# Altium PCB m2m v00.PcbDoc (part 1 of 2)
Units mil, origin at the board's own origin, x right, y up, seen from the top; angles counter-clockwise.
Board outline 4340.39 x 2650.03 mil, 2 copper layers (Top Layer, Bottom Layer), stack 66.58 mil thick; 234 components, 166 nets, 735 pads, 220 vias.
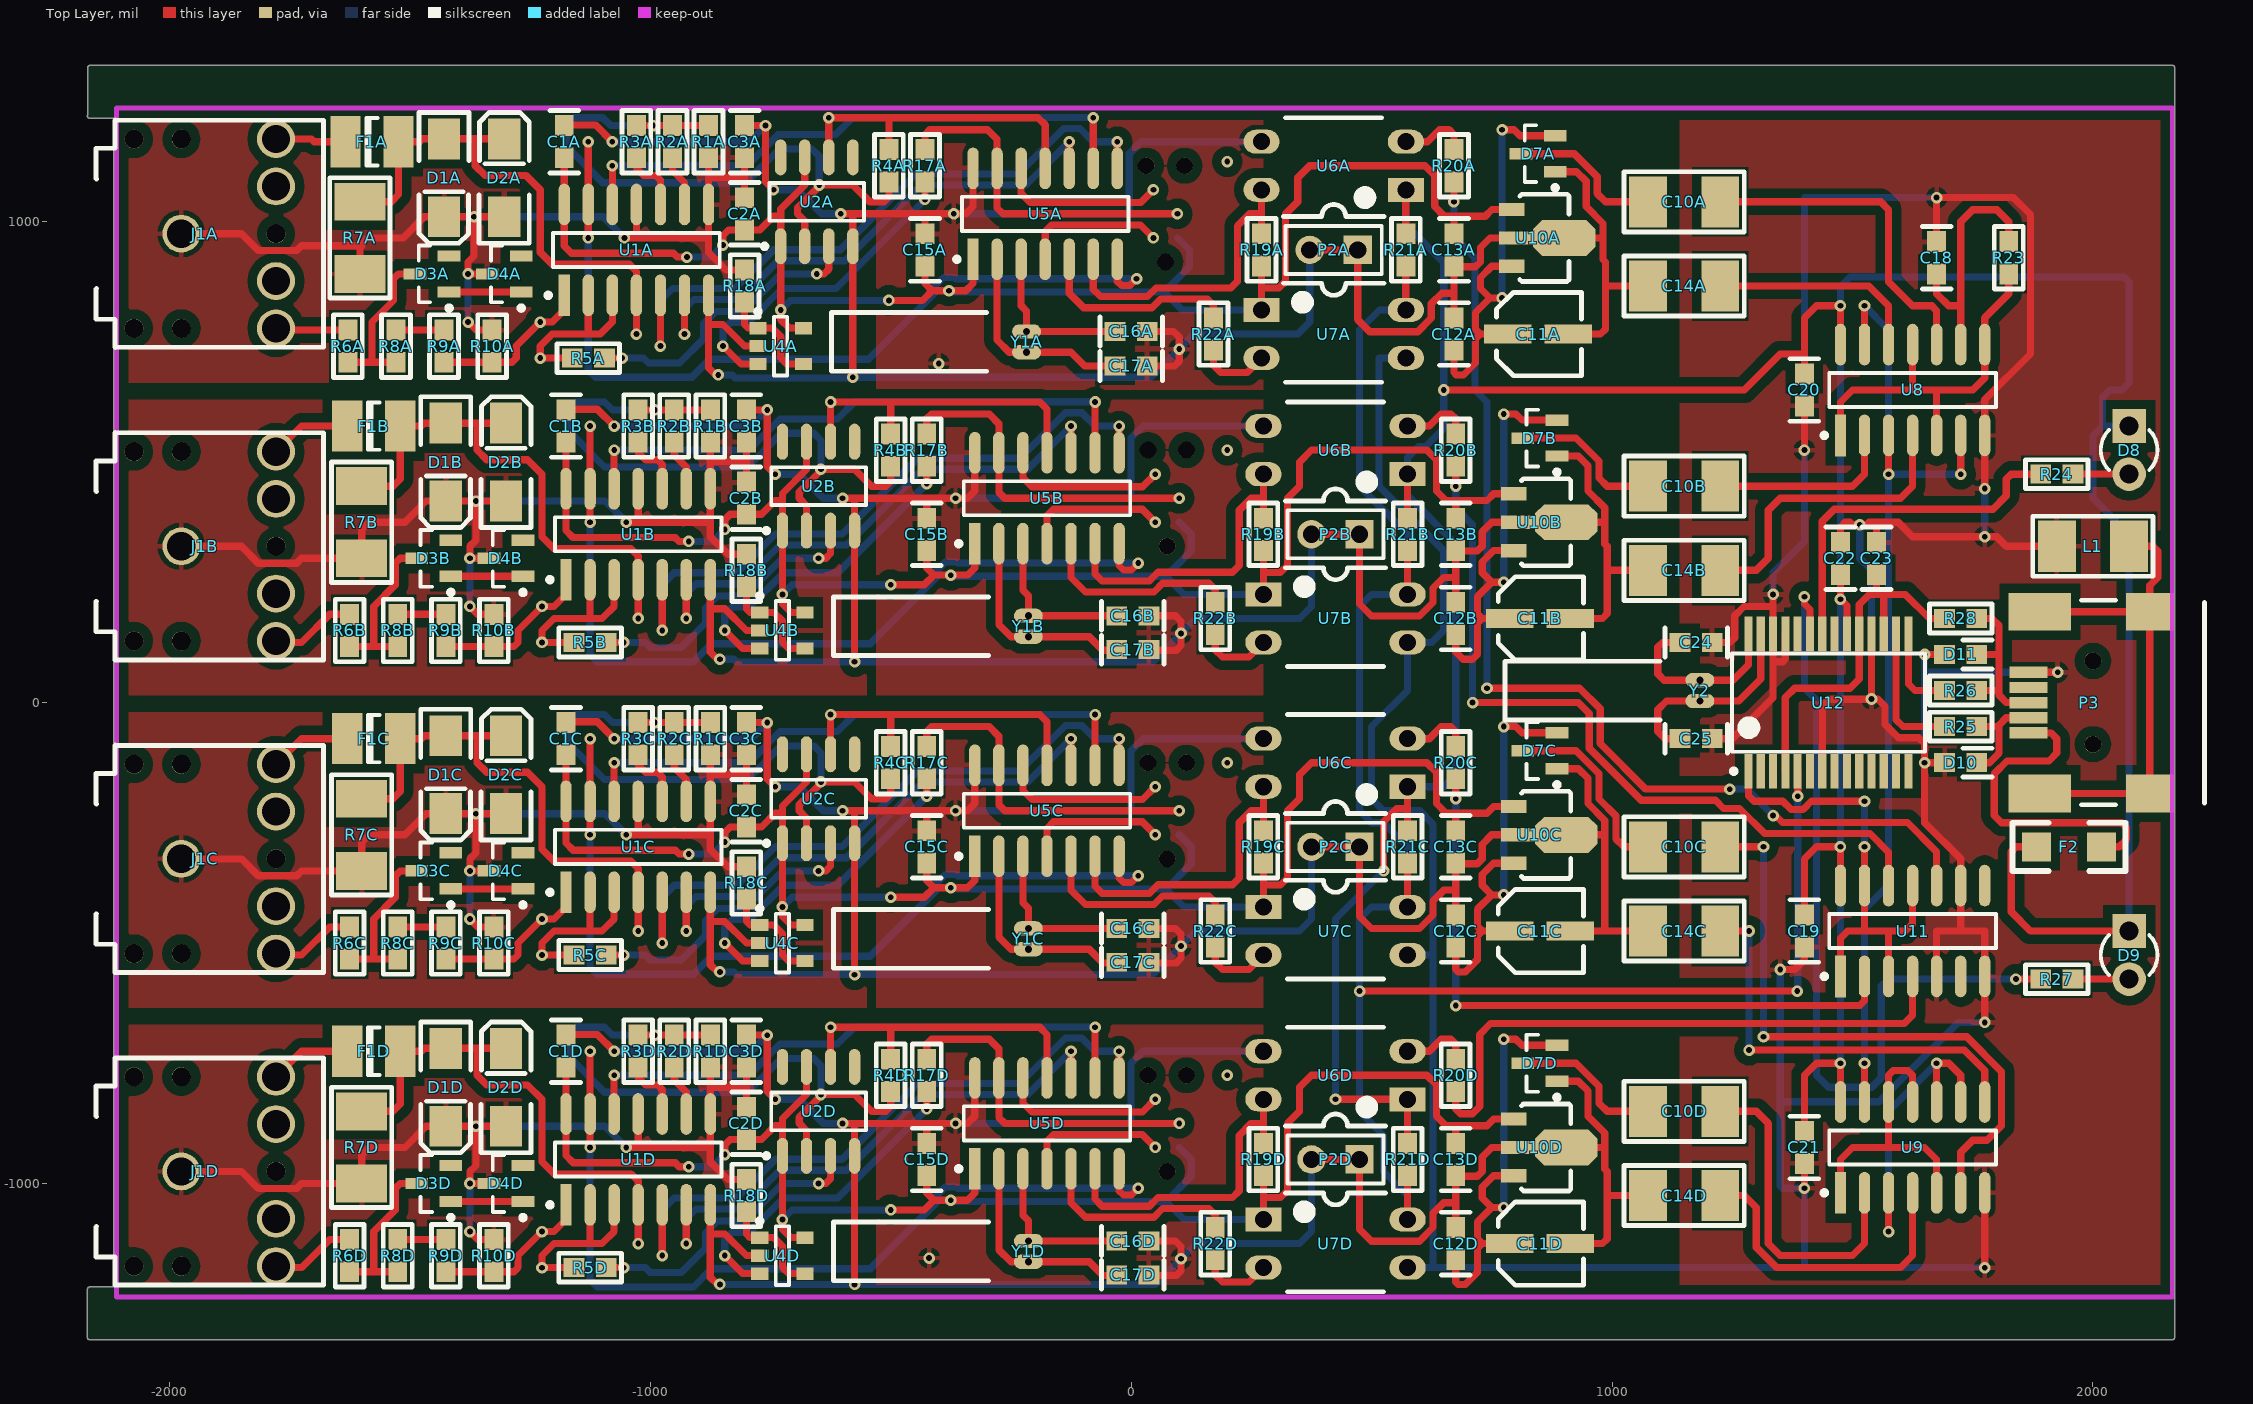
[diagram p0: Top Layer view]
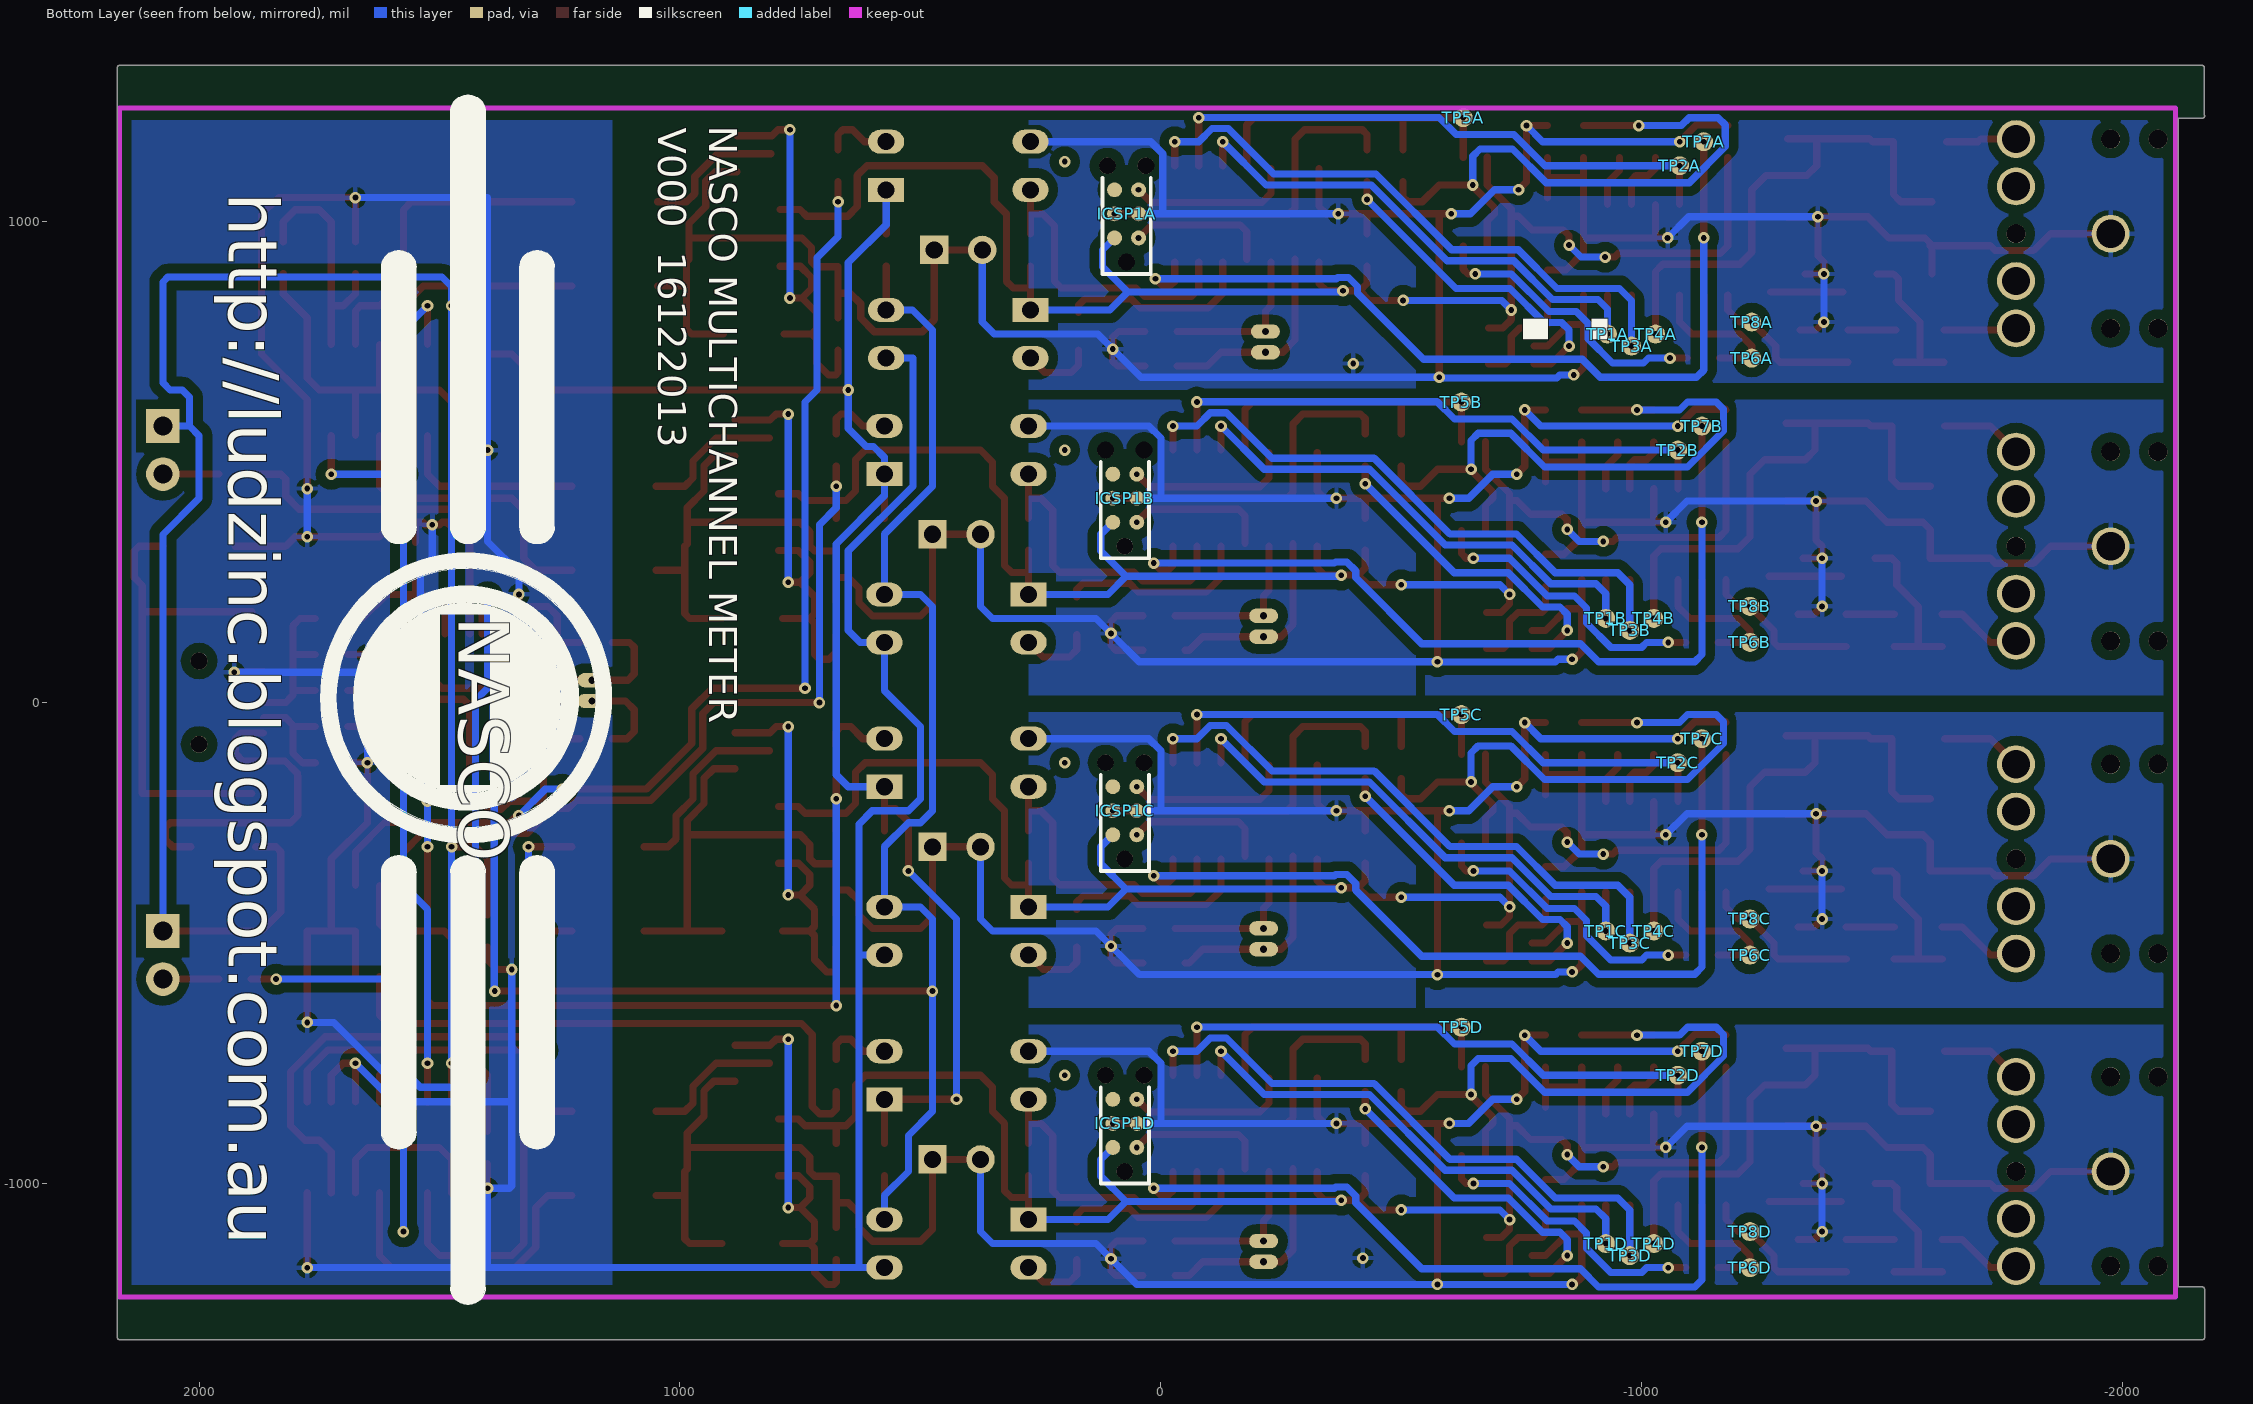
[diagram p1: Bottom Layer view, seen from below]

## Layer stack, top to bottom
Top Layer: signal copper 1.4
Dielectric: core 63.7795, FR-4, Dk 4.8
Bottom Layer: signal copper 1.4

## Board outline
-2170.37,-1320 -2170.37,-1220 cw(c-2165.36,-1220) -2165.36,-1214.99 -2115.02,-1214.99 -2115.02,1214.98 -2165.36,1214.98 cw(c-2165.36,1220) -2170.02,1221.85 -2170.02,1320 cw(c-2165,1320) -2165,1325.02 2165,1325.02 cw(c2165,1320) 2170.02,1320 2170.02,-1320 cw(c2165,-1320) 2165,-1325.01 -2165.36,-1325.01 cw(c-2165.36,-1320)

## Design rules (kind name [scope] priority, off if disabled: settings)
Clearance Poly_GND [inPolygon vs not innet (gnd)] p1: gap=20
Clearance [All] p2: gap=8
HoleSize Testpoint [All] p2: absolutevalues=TRUE maxlimit=100 minlimit=1 maxpercent=80.000 minpercent=20.000
HoleSize TestPointUsage [All] p3: absolutevalues=TRUE maxlimit=100 minlimit=1 maxpercent=80.000 minpercent=20.000
MinimumSolderMaskSliver SilkscreenOverComponentPads [All] p2: minsoldermaskwidth=10
PolygonConnect [All] p1: connectstyle=Relief reliefconductorwidth=10 reliefentries=4 polygonreliefangle="90 Angle" airgapwidth=10
RoomDefinition "U_USB-UART PL2303(HX)" [InComponentClass('U_USB-UART PL2303(HX)')] p1: confinementstyle=ConfineIn formatcopy=TRUE lockcomponents=FALSE outline 2175,-1300 2175,1300 1275,1300 1275,-1300
RoomDefinition U_PSU_DRIVE [InComponentClass('U_PSU_DRIVE')] p2: confinementstyle=ConfineIn formatcopy=TRUE lockcomponents=FALSE outline 1758.46,-1300 1758.46,1300 1275,1300 1275,-1300
RoomDefinition U_MICROANDVREF4 [InComponentClass('U_MICROANDVREF4')] p3: confinementstyle=ConfineIn formatcopy=TRUE lockcomponents=FALSE outline -500,-1300 750,-1300 750,-650 -500,-650
RoomDefinition U_MICROANDVREF3 [InComponentClass('U_MICROANDVREF3')] p4: confinementstyle=ConfineIn formatcopy=TRUE lockcomponents=FALSE outline -500,-650 750,-650 750,0 -500,0
RoomDefinition U_MICROANDVREF2 [InComponentClass('U_MICROANDVREF2')] p5: confinementstyle=ConfineIn formatcopy=TRUE lockcomponents=FALSE outline -500,0 750,0 750,650 -500,650
RoomDefinition U_MICROANDVREF1 [InComponentClass('U_MICROANDVREF1')] p6: confinementstyle=ConfineIn formatcopy=TRUE lockcomponents=FALSE outline -503.7,591.3 746.3,591.3 746.3,1241.3 -503.7,1241.3
RoomDefinition U_ISOLATEDPSU4 [InComponentClass('U_ISOLATEDPSU4')] p7: confinementstyle=ConfineIn formatcopy=TRUE lockcomponents=FALSE outline 725,-1300 1275,-1300 1275,-650 725,-650
RoomDefinition U_ISOLATEDPSU3 [InComponentClass('U_ISOLATEDPSU3')] p8: confinementstyle=ConfineIn formatcopy=TRUE lockcomponents=FALSE outline 725,-650 1275,-650 1275,0 725,0
RoomDefinition U_ISOLATEDPSU2 [InComponentClass('U_ISOLATEDPSU2')] p9: confinementstyle=ConfineIn formatcopy=TRUE lockcomponents=FALSE outline 725,0 1275,0 1275,650 725,650
RoomDefinition U_ISOLATEDPSU1 [InComponentClass('U_ISOLATEDPSU1')] p10: confinementstyle=ConfineIn formatcopy=TRUE lockcomponents=FALSE outline 725,650 1275,650 1275,1300 725,1300
RoomDefinition U_ANALOGCHANNEL4 [InComponentClass('U_ANALOGCHANNEL4')] p11: confinementstyle=ConfineIn formatcopy=TRUE lockcomponents=FALSE outline -2450,-1300 150,-1300 150,-650 -2450,-650
RoomDefinition U_ANALOGCHANNEL3 [InComponentClass('U_ANALOGCHANNEL3')] p12: confinementstyle=ConfineIn formatcopy=TRUE lockcomponents=FALSE outline -2450,-650 150,-650 150,0 -2450,0
RoomDefinition U_ANALOGCHANNEL2 [InComponentClass('U_ANALOGCHANNEL2')] p13: confinementstyle=ConfineIn formatcopy=TRUE lockcomponents=FALSE outline -2450,0 150,0 150,650 -2450,650
RoomDefinition U_ANALOGCHANNEL1 [InComponentClass('U_ANALOGCHANNEL1')] p14: confinementstyle=ConfineIn formatcopy=TRUE lockcomponents=FALSE outline -2450,650 150,650 150,1300 -2450,1300
RoutingVias [All] p1: holewidth=12 width=24 viastyle="Through Hole" minholewidth=12 minwidth=24 maxholewidth=28 maxwidth=50
SolderMaskExpansion [All] p1: expansion=4
Width Standard [All] p1: maxlimit=25 minlimit=8 preferedwidth=8
Width Power [inNet('VIN')] p2: maxlimit=100 minlimit=8 preferedwidth=25
28 further rules are at their usual default settings.

## Classes and differential pairs
component class "U_USB-UART PL2303(HX)": C21 C22 C23 C24 C25 D8 D9 D10 D11 F2 L1 P3 R24 R25 R26 R27 R28 U11 U12 Y2
channel class "ANALOG CHANNEL": U_ANALOGCHANNEL1 U_ANALOGCHANNEL2 U_ANALOGCHANNEL3 U_ANALOGCHANNEL4
component class U_ANALOGCHANNEL4: C1D C2D C3D D1D D2D D3D D4D F1D J1D R1D R2D R3D R4D R5D R6D R7D R8D R9D R10D TP1D TP2D TP3D TP4D TP5D TP6D TP7D TP8D U1D U2D
component class U_ANALOGCHANNEL3: C1C C2C C3C D1C D2C D3C D4C F1C J1C R1C R2C R3C R4C R5C R6C R7C R8C R9C R10C TP1C TP2C TP3C TP4C TP5C TP6C TP7C TP8C U1C U2C
component class U_ANALOGCHANNEL2: C1B C2B C3B D1B D2B D3B D4B F1B J1B R1B R2B R3B R4B R5B R6B R7B R8B R9B R10B TP1B TP2B TP3B TP4B TP5B TP6B TP7B TP8B U1B U2B
component class U_ANALOGCHANNEL1: C1A C2A C3A D1A D2A D3A D4A F1A J1A R1A R2A R3A R4A R5A R6A R7A R8A R9A R10A TP1A TP2A TP3A TP4A TP5A TP6A TP7A TP8A U1A U2A
component class U_MICROANDVREF1: C15A C16A C17A ICSP1A P2A R17A R18A R19A R20A R21A R22A U4A U5A U6A U7A Y1A
component class U_MICROANDVREF2: C15B C16B C17B ICSP1B P2B R17B R18B R19B R20B R21B R22B U4B U5B U6B U7B Y1B
component class U_MICROANDVREF3: C15C C16C C17C ICSP1C P2C R17C R18C R19C R20C R21C R22C U4C U5C U6C U7C Y1C
component class U_MICROANDVREF4: C15D C16D C17D ICSP1D P2D R17D R18D R19D R20D R21D R22D U4D U5D U6D U7D Y1D
component class U_PSU_DRIVE: C18 C19 C20 R23 U8 U9
net class DRIVE_[1..4]: DRIVE_1 DRIVE_2 DRIVE_3 DRIVE_4
net class SINK_[1..4]: SINK_1 SINK_2 SINK_3 SINK_4
channel class "MICRO AND VREF": U_MICROANDVREF1 U_MICROANDVREF2 U_MICROANDVREF3 U_MICROANDVREF4
component class U_ISOLATEDPSU1: C10A C11A C12A C13A C14A D7A U10A
component class U_ISOLATEDPSU2: C10B C11B C12B C13B C14B D7B U10B
component class U_ISOLATEDPSU3: C10C C11C C12C C13C C14C D7C U10C
component class U_ISOLATEDPSU4: C10D C11D C12D C13D C14D D7D U10D
channel class "ISOLATED PSU": U_ISOLATEDPSU1 U_ISOLATEDPSU2 U_ISOLATEDPSU3 U_ISOLATEDPSU4
net class CHANNEL_SAMPLE[1..4]: CHANNEL_SAMPLE1 CHANNEL_SAMPLE2 CHANNEL_SAMPLE3 CHANNEL_SAMPLE4
net class K_010_[1..4]: K_010_1 K_010_2 K_010_3 K_010_4
net class K_100_[1..4]: K_100_1 K_100_2 K_100_3 K_100_4
net class V_GND[1..4]: V_GND1 V_GND2 V_GND3 V_GND4
net class VNEG[1..4]: VNEG1 VNEG2 VNEG3 VNEG4
net class VPOS[1..4]: VPOS1 VPOS2 VPOS3 VPOS4
net class TTL_TX[1..4]: TTL_TX1 TTL_TX2 TTL_TX3 TTL_TX4

## Components (designator, comment, footprint, x,y, rotation, side; value= is the part's Value field where it differs from the comment)
C1A "100nF" "CAP (3D) - 0603" -1178.7,1166.3 r90 top (schematic designator C1)
C1B "100nF" "CAP (3D) - 0603" -1175,575 r90 top (schematic designator C1)
C1C "100nF" "CAP (3D) - 0603" -1175,-75 r90 top (schematic designator C1)
C1D "100nF" "CAP (3D) - 0603" -1175,-725 r90 top (schematic designator C1)
C2A "100nF" "CAP (3D) - 0603" -803.7,1016.3 r90 top (schematic designator C2)
C2B "100nF" "CAP (3D) - 0603" -800,425 r90 top (schematic designator C2)
C2C "100nF" "CAP (3D) - 0603" -800,-225 r90 top (schematic designator C2)
C2D "100nF" "CAP (3D) - 0603" -800,-875 r90 top (schematic designator C2)
C3A "100nF" "CAP (3D) - 0603" -803.7,1166.3 r90 top (schematic designator C3)
C3B "100nF" "CAP (3D) - 0603" -800,575 r90 top (schematic designator C3)
C3C "100nF" "CAP (3D) - 0603" -800,-75 r90 top (schematic designator C3)
C3D "100nF" "CAP (3D) - 0603" -800,-725 r90 top (schematic designator C3)
C10A "1uF" "RES (3D) - 1210" 1150,1041.3 r180 top (schematic designator C10)
C10B "1uF" "RES (3D) - 1210" 1150,450 r180 top (schematic designator C10)
C10C "1uF" "RES (3D) - 1210" 1150,-300 r180 top (schematic designator C10)
C10D "1uF" "RES (3D) - 1210" 1150,-850 r180 top (schematic designator C10)
C11A "10uF" "CAP ELECTRO SIZE-B" 846.3,766.3 r270 top (schematic designator C11)
C11B "10uF" "CAP ELECTRO SIZE-B" 850,175 r270 top (schematic designator C11)
C11C "10uF" "CAP ELECTRO SIZE-B" 850,-475 r270 top (schematic designator C11)
C11D "10uF" "CAP ELECTRO SIZE-B" 850,-1125 r270 top (schematic designator C11)
C12A "100nF" "CAP (3D) - 0603" 671.3,766.3 r90 top (schematic designator C12)
C12B "100nF" "CAP (3D) - 0603" 675,175 r90 top (schematic designator C12)
C12C "100nF" "CAP (3D) - 0603" 675,-475 r90 top (schematic designator C12)
C12D "100nF" "CAP (3D) - 0603" 675,-1125 r90 top (schematic designator C12)
C13A "100nF" "CAP (3D) - 0603" 671.3,941.3 r270 top (schematic designator C13)
C13B "100nF" "CAP (3D) - 0603" 675,350 r270 top (schematic designator C13)
C13C "100nF" "CAP (3D) - 0603" 675,-300 r270 top (schematic designator C13)
C13D "100nF" "CAP (3D) - 0603" 675,-950 r270 top (schematic designator C13)
C14A "1uF" "RES (3D) - 1210" 1150,866.3 r180 top (schematic designator C14)
C14B "1uF" "RES (3D) - 1210" 1150,275 r180 top (schematic designator C14)
C14C "1uF" "RES (3D) - 1210" 1150,-475 r180 top (schematic designator C14)
C14D "1uF" "RES (3D) - 1210" 1150,-1025 r180 top (schematic designator C14)
C15A "100nF" "CAP (3D) - 0603" -428.7,941.3 r90 top (schematic designator C15)
C15B "100nF" "CAP (3D) - 0603" -425,350 r90 top (schematic designator C15)
C15C "100nF" "CAP (3D) - 0603" -425,-300 r90 top (schematic designator C15)
C15D "100nF" "CAP (3D) - 0603" -425,-950 r90 top (schematic designator C15)
C16A "15pF" "CAP (3D) - 0603" 0,771.65 r180 top (schematic designator C16)
C16B "15pF" "CAP (3D) - 0603" 3.7,180.35 r180 top (schematic designator C16)
C16C "15pF" "CAP (3D) - 0603" 3.7,-469.65 r180 top (schematic designator C16)
C16D "15pF" "CAP (3D) - 0603" 3.7,-1119.65 r180 top (schematic designator C16)
C17A "15pF" "CAP (3D) - 0603" 0,700 r180 top (schematic designator C17)
C17B "15pF" "CAP (3D) - 0603" 3.7,110 r180 top (schematic designator C17)
C17C "15pF" "CAP (3D) - 0603" 3.7,-540 r180 top (schematic designator C17)
C17D "15pF" "CAP (3D) - 0603" 3.7,-1190 r180 top (schematic designator C17)
C18 "Cap" "CAP (3D) - 0603" 1675,925 r270 top
C19 "100nF" "CAP (3D) - 0603" 1400,-475 r270 top
C20 "100nF" "CAP (3D) - 0603" 1400,650 r270 top
C21 "100nF" "CAP (3D) - 0603" 1400,-925 r270 top
C22 "100nF" "CAP (3D) - 0603" 1475,300 r270 top
C23 "100nF" "CAP (3D) - 0603" 1550,300 r270 top
C24 "22pF" "CAP (3D) - 0603" 1175,125 r180 top
C25 "22pF" "CAP (3D) - 0603" 1175,-75 r180 top
D1A "S1M" DO-214AC -1428.7,1091.3 r270 top (schematic designator D1)
D1B "S1M" DO-214AC -1425,500 r270 top (schematic designator D1)
D1C "S1M" DO-214AC -1425,-150 r270 top (schematic designator D1)
D1D "S1M" DO-214AC -1425,-800 r270 top (schematic designator D1)
D2A "S1M" DO-214AC -1303.7,1091.3 r90 top (schematic designator D2)
D2B "S1M" DO-214AC -1300,500 r90 top (schematic designator D2)
D2C "S1M" DO-214AC -1300,-150 r90 top (schematic designator D2)
D2D "S1M" DO-214AC -1300,-800 r90 top (schematic designator D2)
D3A "5V1" SOT23-3L -1453.7,891.3 r180 top (schematic designator D3)
D3B "5V1" SOT23-3L -1450,300 r180 top (schematic designator D3)
D3C "5V1" SOT23-3L -1450,-350 r180 top (schematic designator D3)
D3D "5V1" SOT23-3L -1450,-1000 r180 top (schematic designator D3)
D4A "5V1" SOT23-3L -1303.7,891.3 r180 top (schematic designator D4)
D4B "5V1" SOT23-3L -1300,300 r180 top (schematic designator D4)
D4C "5V1" SOT23-3L -1300,-350 r180 top (schematic designator D4)
D4D "5V1" SOT23-3L -1300,-1000 r180 top (schematic designator D4)
D7A "1PS70SB14" SOT23-3L 846.3,1141.3 r180 top (schematic designator D7)
D7B "1PS70SB14" SOT23-3L 850,550 r180 top (schematic designator D7)
D7C "1PS70SB14" SOT23-3L 850,-100 r180 top (schematic designator D7)
D7D "1PS70SB14" SOT23-3L 850,-750 r180 top (schematic designator D7)
D8 "LED (RED)" "LED(3D) 3MM VERTICAL (RED)" 2075,525 r90 top
D9 "LED (GREEN)" "LED(3D) 3MM VERTICAL (GREEN)" 2075,-525 r90 top
D10 "TVS" "TVS (3D) - 0603" 1725,-125 r180 top
D11 "TVS" "TVS (3D) - 0603" 1725,100 r180 top
F1A "1.1A" "LITTELFUSE 1210" -1578.7,1166.3 r0 top (schematic designator F1)
F1B "1.1A" "LITTELFUSE 1210" -1575,575 r0 top (schematic designator F1)
F1C "1.1A" "LITTELFUSE 1210" -1575,-75 r0 top (schematic designator F1)
F1D "1.1A" "LITTELFUSE 1210" -1575,-725 r0 top (schematic designator F1)
F2 "160mA" 1206 1950,-300 r180 top
ICSP1A "TAG CONNECT" "ICSP - TAG CONNECT TYPE2" 71.3,916.3 r270 bottom (schematic designator ICSP1)
ICSP1B "TAG CONNECT" "ICSP - TAG CONNECT TYPE2" 75,325 r270 bottom (schematic designator ICSP1)
ICSP1C "TAG CONNECT" "ICSP - TAG CONNECT TYPE2" 75,-325 r270 bottom (schematic designator ICSP1)
ICSP1D "TAG CONNECT" "ICSP - TAG CONNECT TYPE2" 75,-975 r270 bottom (schematic designator ICSP1)
J1A "3.5mm Stereo" "3.5MM pcb mouNt" -1975,975 r0 top (schematic designator J1)
J1B "3.5mm Stereo" "3.5MM pcb mouNt" -1975,325 r0 top (schematic designator J1)
J1C "3.5mm Stereo" "3.5MM pcb mouNt" -1975,-325 r0 top (schematic designator J1)
J1D "3.5mm Stereo" "3.5MM pcb mouNt" -1975,-975 r0 top locked (schematic designator J1)
L1 "BEAD" "RES (3D) - 1210" 2000,325 r180 top
P2A "TEST" HDR1X2 471.3,941.3 r180 top (schematic designator P2)
P2B "TEST" HDR1X2 475,350 r180 top (schematic designator P2)
P2C "TEST" HDR1X2 475,-300 r180 top (schematic designator P2)
P2D "TEST" HDR1X2 475,-950 r180 top (schematic designator P2)
P3 "MINI USB" "MINI USB" 2000,0 r90 top
R1A "99k" "RES (3D) - 0603" -878.7,1166.3 r270 top (schematic designator R1)
R1B "99k" "RES (3D) - 0603" -875,575 r270 top (schematic designator R1)
R1C "99k" "RES (3D) - 0603" -875,-75 r270 top (schematic designator R1)
R1D "99k" "RES (3D) - 0603" -875,-725 r270 top (schematic designator R1)
R2A "11k" "RES (3D) - 0603" -953.7,1166.3 r270 top (schematic designator R2)
R2B "11k" "RES (3D) - 0603" -950,575 r270 top (schematic designator R2)
R2C "11k" "RES (3D) - 0603" -950,-75 r270 top (schematic designator R2)
R2D "11k" "RES (3D) - 0603" -950,-725 r270 top (schematic designator R2)
R3A "1k" "RES (3D) - 0603" -1028.7,1166.3 r270 top (schematic designator R3)
R3B "1k" "RES (3D) - 0603" -1025,575 r270 top (schematic designator R3)
R3C "1k" "RES (3D) - 0603" -1025,-75 r270 top (schematic designator R3)
R3D "1k" "RES (3D) - 0603" -1025,-725 r270 top (schematic designator R3)
R4A "99k" "RES (3D) - 0603" -503.7,1116.3 r270 top (schematic designator R4)
R4B "99k" "RES (3D) - 0603" -500,525 r270 top (schematic designator R4)
R4C "99k" "RES (3D) - 0603" -500,-125 r270 top (schematic designator R4)
R4D "99k" "RES (3D) - 0603" -500,-775 r270 top (schematic designator R4)
R5A "100R" "RES (3D) - 0603" -1128.7,716.3 r180 top (schematic designator R5)
R5B "100R" "RES (3D) - 0603" -1125,125 r180 top (schematic designator R5)
R5C "100R" "RES (3D) - 0603" -1125,-525 r180 top (schematic designator R5)
R5D "100R" "RES (3D) - 0603" -1125,-1175 r180 top (schematic designator R5)
R6A "9M1" "RES (3D) - 0603" -1628.7,741.3 r90 top (schematic designator R6)
R6B "9M1" "RES (3D) - 0603" -1625,150 r90 top (schematic designator R6)
R6C "9M1" "RES (3D) - 0603" -1625,-500 r90 top (schematic designator R6)
R6D "9M1" "RES (3D) - 0603" -1625,-1150 r90 top (schematic designator R6)
R7A "SHUNT" "RES (3D) - 1210" -1603.7,966.3 r90 top (schematic designator R7)
R7B "SHUNT" "RES (3D) - 1210" -1600,375 r90 top (schematic designator R7)
R7C "SHUNT" "RES (3D) - 1210" -1600,-275 r90 top (schematic designator R7)
R7D "SHUNT" "RES (3D) - 1210" -1600,-925 r90 top (schematic designator R7)
R8A "330K" "RES (3D) - 0603" -1528.7,741.3 r270 top (schematic designator R8)
R8B "330K" "RES (3D) - 0603" -1525,150 r270 top (schematic designator R8)